# KiCad board fcart.kicad_pcb (continued)
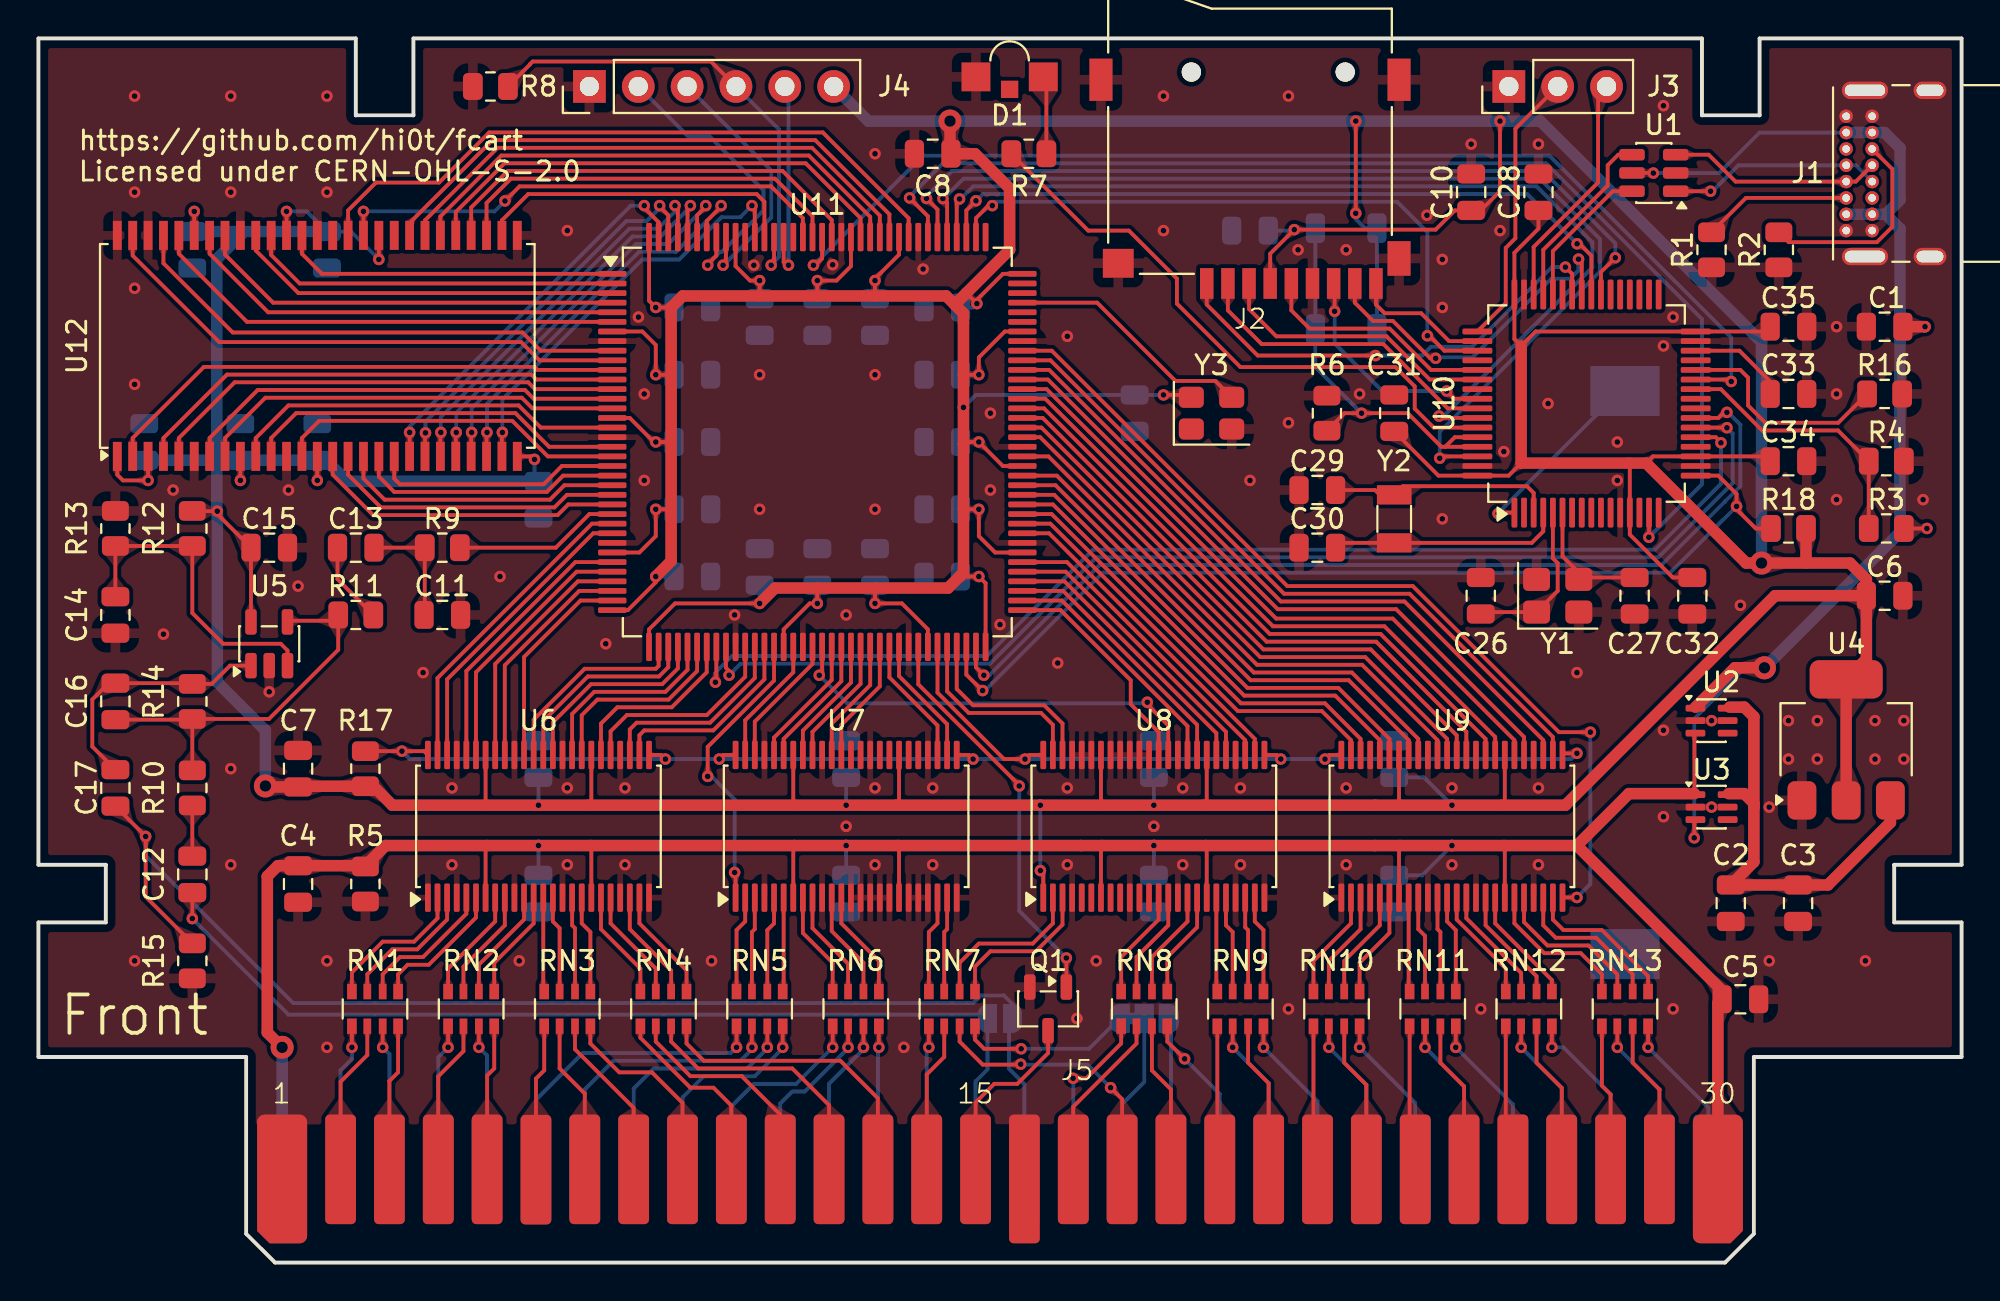
[diagram p0: board, top side]
## Footprints (pads in the part's own frame, mm; a bottom-side part is the same pattern mirrored in y, then rotated) (continued)
  oval 0.9x2.4 hole 0.6x2.1: SH(-1.35,-0.98) SH(7.3,-0.98)
  oval 0.9x1.7 hole 0.6x1.4: SH(-1.35,-4.36) SH(7.3,-4.36)

## Nets
+3V3: C6.1 C7.1 C8.1 C9.1 C10.1 C15.2 C19.1 C21.1 C23.1 C25.1 C28.1 C31.1 C32.1 C34.1 C35.1 C36.1 C37.1 C38.1 C39.1 C40.1 C41.1 C42.1 C43.1 C44.1 C45.1 C46.1 C47.1 C48.1 C49.1 C50.1 C51.1 C52.1 C53.1 C54.1 C55.1 C56.1 C57.1 C58.1 J2.4 J4.6 R12.2 R17.1 R18.1 SW1.1 U4.2 U5.5 U6.31 U6.42 U7.31 U7.42 U8.1 U8.31 U8.42 U9.31 U9.42 U10.13 U10.19 U10.32 U10.48 U10.64 U11.7 U11.16 U11.30 U11.36 U11.37 U11.51 U11.66 U11.72 U11.79 U11.88 U11.102 U11.108 U11.118 U11.123 U11.135 U11.144 U12.1 U12.3 U12.9 U12.14 U12.27 U12.37 U12.43 U12.49 Y3.4
+5V: C2.1 C3.1 U2.6 U3.6 U4.3
GND: BT1.2 C1.2 C2.2 C3.2 C4.2 C5.2 C6.2 C7.2 C8.2 C9.2 C10.2 C11.2 C14.1 C15.1 C18.2 C19.2 C20.2 C21.2 C22.2 C23.2 C24.2 C25.2 C26.1 C27.1 C28.2 C29.1 C30.1 C31.2 C32.2 C33.2 C34.2 C35.2 C36.2 C37.2 C38.2 C39.2 C40.2 C41.2 C42.2 C43.2 C44.2 C45.2 C46.2 C47.2 C48.2 C49.2 C50.2 C51.2 C52.2 C53.2 C54.2 C55.2 C56.2 C57.2 C58.2 D1.1 J1.A1 J1.A12 J1.B1 J1.B12 J1.SH J2.6 J2.SH J3.1 J4.1 J5.1 J5.16 Q1.2 R1.2 R2.2 R4.1 R5.1 R6.1 R8.2 R13.1 R15.2 R16.2 U1.2 U2.2 U2.5 U3.2 U3.5 U4.1 U5.2 U6.1 U6.4 U6.10 U6.15 U6.21 U6.24 U6.28 U6.34 U6.39 U6.45 U7.4 U7.10 U7.13 U7.14 U7.15 U7.16 U7.17 U7.19 U7.20 U7.21 U7.24 U7.28 U7.34 U7.39 U7.45 U8.4 U8.10 U8.15 U8.21 U8.24 U8.28 U8.34 U8.37 U8.38 U8.39 U8.40 U8.41 U8.43 U8.44 U8.45 U9.1 U9.4 U9.10 U9.15 U9.21 U9.28 U9.34 U9.39 U9.45 U10.12 U10.18 U10.31 U10.47 U10.63 U11.8 U11.18 U11.29 U11.46 U11.53 U11.64 U11.80 U11.90 U11.101 U11.116 U11.124 U11.134 U12.6 U12.12 U12.28 U12.41 U12.46 U12.52 U12.54 Y1.2 Y1.4 Y3.2
VBAT: BT1.1 U10.1
BTN: R6.2 SW1.2 U10.60 U10.61
CIRAM_A10: U8.47 U11.68
CIRAM_A10_5V: J5.18 RN7.7
CIRAM_CE: U8.46 U11.69
CIRAM_CE_5V: J5.48 JP2.2
CPU_A0: U6.26 U11.49
CPU_A0_5V: J5.13 RN4.8
CPU_A1: U6.27 U11.48
CPU_A1_5V: J5.12 RN4.7
CPU_A2: U6.29 U11.47
CPU_A2_5V: J5.11 RN4.6
CPU_A3: U6.30 U11.43
CPU_A3_5V: J5.10 RN4.5
CPU_A4: U6.32 U11.42
CPU_A4_5V: J5.9 RN3.8
CPU_A5: U6.33 U11.41
CPU_A5_5V: J5.8 RN3.7
CPU_A6: U6.35 U11.40
CPU_A6_5V: J5.7 RN3.6
CPU_A7: U6.36 U11.39
CPU_A7_5V: J5.6 RN3.5
CPU_A8: U6.37 U11.38
CPU_A8_5V: J5.5 RN2.8
CPU_A9: U6.40 U11.34
CPU_A9_5V: J5.4 RN2.6
CPU_A10: U6.43 U11.32
CPU_A10_5V: J5.3 RN1.8
CPU_A11: U6.46 U11.28
CPU_A11_5V: J5.2 RN1.6
CPU_A12: U6.44 U11.31
CPU_A12_5V: J5.33 RN1.7
CPU_A13: U6.41 U11.33
CPU_A13_5V: J5.34 RN2.5
CPU_A14: U6.38 U11.35
CPU_A14_5V: J5.35 RN2.7
CPU_D0: U7.37 U11.61
CPU_D0_5V: J5.43 RN6.8
CPU_D1: U7.38 U11.60
CPU_D1_5V: J5.42 RN6.7
CPU_D2: U7.40 U11.59
CPU_D2_5V: J5.41 RN6.6
CPU_D3: U7.41 U11.58
CPU_D3_5V: J5.40 RN6.5
CPU_D4: U7.43 U11.57
CPU_D4_5V: J5.39 RN5.8
CPU_D5: U7.44 U11.56
CPU_D5_5V: J5.38 RN5.7
CPU_D6: U7.46 U11.54
CPU_D6_5V: J5.37 RN5.6
CPU_D7: U7.47 U11.52
CPU_D7_5V: J5.36 RN5.5
CPU_DIR: U7.1 U11.50
CPU_RW: U7.26 U11.63
CPU_RW_5V: J5.14 RN7.6
FPGA_IRQ: U10.62 U11.113
IRQ: Q1.1 U11.65
IRQ_5V: J5.15 Q1.3
LED: R7.2 U10.59
LS_OE: R17.2 U6.25 U6.48 U7.25 U7.48 U8.25 U8.48 U9.25 U9.48 U11.67
M2: U6.47 U11.27
M2_5V: J5.32 RN1.5
PDM: R9.2 U11.26
PPU_A0: U9.38 U11.89
PPU_A0_5V: J5.25 RN11.7
PPU_A1: U9.41 U11.86
PPU_A1_5V: J5.24 RN11.5
PPU_A2: U9.44 U11.84
PPU_A2_5V: J5.23 RN10.7
PPU_A3: U9.47 U11.82
PPU_A3_5V: J5.22 RN10.5
PPU_A4: U8.27 U11.78
PPU_A4_5V: J5.21 RN9.7
PPU_A5: U8.30 U11.76
PPU_A5_5V: J5.20 RN9.5
PPU_A6: U8.33 U11.74
PPU_A6_5V: J5.19 RN8.7
PPU_A7: U8.32 U11.75
PPU_A7_5V: J5.50 RN8.8
PPU_A8: U8.29 U11.77
PPU_A8_5V: J5.51 RN9.6
PPU_A9: U8.26 U11.81
PPU_A9_5V: J5.52 RN9.8
PPU_A10: U9.46 U11.83
PPU_A10_5V: J5.53 RN10.6
PPU_A11: U9.43 U11.85
PPU_A11_5V: J5.54 RN10.8
PPU_A12: U9.40 U11.87
PPU_A12_5V: J5.55 RN11.6
PPU_A13: U9.37 U11.91
PPU_A13_5V: J5.56 RN11.8
PPU_D0: U9.36 U11.92
PPU_D0_5V: J5.26 RN12.5
PPU_D1: U9.33 U11.94
PPU_D1_5V: J5.27 RN12.7
PPU_D2: U9.30 U11.96
PPU_D2_5V: J5.28 RN13.5
PPU_D3: U9.27 U11.98
PPU_D3_5V: J5.29 RN13.7
PPU_D4: U9.26 U11.99
PPU_D4_5V: J5.60 RN13.8
PPU_D5: U9.29 U11.97
PPU_D5_5V: J5.59 RN13.6
PPU_D6: U9.32 U11.95
PPU_D6_5V: J5.58 RN12.8
PPU_D7: U9.35 U11.93
PPU_D7_5V: J5.57 RN12.6
PPU_DIR: U9.24 U11.100
PPU_RD: U8.35 U11.55
PPU_RD_5V: J5.17 RN8.6
PPU_WR: U8.36 U11.73
PPU_WR_5V: J5.47 RN8.5
PPU_~{A13}: J5.49 JP2.3
QSPI_CLK: U10.27 U11.126
QSPI_IO0: U10.40 U11.111
QSPI_IO1: U10.51 U11.110
QSPI_IO2: U10.39 U11.114
QSPI_IO3: U10.15 U11.115
QSPI_NCS: U10.58 U11.112
ROMSEL: U7.27 U11.62
ROMSEL_5V: J5.44 RN7.5
SD_CLK: J2.5 U10.53
SD_CMD: J2.3 U10.54
SD_DAT0: J2.7 U10.56
SD_DAT1: J2.8 U10.41
SD_DAT2: J2.1 U10.42
SD_DAT3: J2.2 U10.57
SD_DET: J2.9 U10.50
SDRAM_A0: U11.140 U12.23
SDRAM_A1: U11.139 U12.24
SDRAM_A2: U11.138 U12.25
SDRAM_A3: U11.133 U12.26
SDRAM_A4: U11.132 U12.29
SDRAM_A5: U11.127 U12.30
SDRAM_A6: U11.125 U12.31
SDRAM_A7: U11.122 U12.32
SDRAM_A8: U11.121 U12.33
SDRAM_A9: U11.120 U12.34
SDRAM_A10: U11.141 U12.22
SDRAM_A11: U11.119 U12.35
SDRAM_BA0: U11.143 U12.20
SDRAM_BA1: U11.142 U12.21
SDRAM_CAS: U11.23 U12.17
SDRAM_CLK: U11.128 U12.38
SDRAM_CS: U11.21 U12.19
SDRAM_DQ0: U11.11 U12.2
SDRAM_DQ1: U11.12 U12.4
SDRAM_DQ2: U11.13 U12.5
SDRAM_DQ3: U11.14 U12.7
SDRAM_DQ4: U11.15 U12.8
SDRAM_DQ5: U11.17 U12.10
SDRAM_DQ6: U11.19 U12.11
SDRAM_DQ7: U11.20 U12.13
SDRAM_DQ8: U11.1 U12.42
SDRAM_DQ9: U11.2 U12.44
SDRAM_DQ10: U11.3 U12.45
SDRAM_DQ11: U11.4 U12.47
SDRAM_DQ12: U11.5 U12.48
SDRAM_DQ13: U11.6 U12.50
SDRAM_DQ14: U11.9 U12.51
SDRAM_DQ15: U11.10 U12.53
SDRAM_LDQM: U11.25 U12.15
SDRAM_RAS: U11.22 U12.18
SDRAM_UDQM: U11.117 U12.39
SDRAM_WE: U11.24 U12.16
SND_IN: C12.1 J5.45 JP1.1
SND_OUT: C17.2 J5.46 JP1.2 R15.1
SPI_MISO: U10.22 U11.45
SPI_MOSI: U10.23 U11.71
SPI_NCS: R18.2 U10.17 U11.70
SPI_SCK: U10.21 U11.44
SWCLK: J3.2 U10.49
SWDIO: J3.3 U10.46
TCK: J4.4 R8.1 U11.131
TDI: J4.3 U11.136
TDO: J4.2 U11.137
TMS: J4.5 U11.130
USB_D+: U1.4 U10.45
USB_D-: U1.6 U10.44
USB_DET: R3.1 R4.2 U10.26
VCART: C4.1 C5.1 C18.1 C20.1 C22.1 C24.1 J5.30 J5.31 R5.2 U2.3 U3.1 U6.7 U6.18 U7.7 U7.18 U8.7 U8.18 U9.7 U9.18
VUSB: C1.1 J1.A4 J1.A9 J1.B4 J1.B9 R3.2 U1.5 U2.1 U3.3
Net-(C11-Pad1): C11.1 C13.1 R9.1
Net-(C12-Pad2): C12.2 R10.2
Net-(C13-Pad2): C13.2 R11.2
Net-(C16-Pad2): C16.2 C17.1 R14.1 U5.1
Net-(D1-A): D1.2 R7.1
Net-(J1-CC1): J1.A5 R1.1
Net-(J1-CC2): J1.B5 R2.1
Net-(J1-D+-PadA6): J1.A6 J1.B6 U1.3
Net-(J1-D--PadA7): J1.A7 J1.B7 U1.1
Net-(JP2-A): JP2.1 RN7.8
Net-(RN1-R1.1): RN1.1 U6.6
Net-(RN1-R2.1): RN1.2 U6.5
Net-(RN1-R3.1): RN1.3 U6.3
Net-(RN1-R4.1): RN1.4 U6.2
Net-(RN2-R1.1): RN2.1 U6.12
Net-(RN2-R2.1): RN2.2 U6.11
Net-(RN2-R3.1): RN2.3 U6.9
Net-(RN2-R4.1): RN2.4 U6.8
Net-(RN3-R1.1): RN3.1 U6.17
Net-(RN3-R2.1): RN3.2 U6.16
Net-(RN3-R3.1): RN3.3 U6.14
Net-(RN3-R4.1): RN3.4 U6.13
Net-(RN4-R1.1): RN4.1 U6.23
Net-(RN4-R2.1): RN4.2 U6.22
Net-(RN4-R3.1): RN4.3 U6.20
Net-(RN4-R4.1): RN4.4 U6.19
Net-(RN5-R1.1): RN5.1 U7.6
Net-(RN5-R2.1): RN5.2 U7.5
Net-(RN5-R3.1): RN5.3 U7.3
Net-(RN5-R4.1): RN5.4 U7.2
Net-(RN6-R1.1): RN6.1 U7.12
Net-(RN6-R2.1): RN6.2 U7.11
Net-(RN6-R3.1): RN6.3 U7.9
Net-(RN6-R4.1): RN6.4 U7.8
Net-(RN7-R1.1): RN7.1 U8.3
Net-(RN7-R2.1): RN7.2 U8.2
Net-(RN7-R3.1): RN7.3 U7.23
Net-(RN7-R4.1): RN7.4 U7.22
Net-(RN8-R1.1): RN8.1 U8.17
Net-(RN8-R2.1): RN8.2 U8.16
Net-(RN8-R3.1): RN8.3 U8.14
Net-(RN8-R4.1): RN8.4 U8.13
Net-(RN9-R1.1): RN9.1 U8.23
Net-(RN9-R2.1): RN9.2 U8.22
Net-(RN9-R3.1): RN9.3 U8.20
Net-(RN9-R4.1): RN9.4 U8.19
Net-(RN10-R1.1): RN10.1 U9.6
Net-(RN10-R2.1): RN10.2 U9.5
Net-(RN10-R3.1): RN10.3 U9.3
Net-(RN10-R4.1): RN10.4 U9.2
Net-(RN11-R1.1): RN11.1 U9.12
Net-(RN11-R2.1): RN11.2 U9.11
Net-(RN11-R3.1): RN11.3 U9.9
Net-(RN11-R4.1): RN11.4 U9.8
Net-(RN12-R1.1): RN12.1 U9.17
Net-(RN12-R2.1): RN12.2 U9.16
Net-(RN12-R3.1): RN12.3 U9.14
Net-(RN12-R4.1): RN12.4 U9.13
Net-(RN13-R1.1): RN13.1 U9.23
Net-(RN13-R2.1): RN13.2 U9.22
Net-(RN13-R3.1): RN13.3 U9.20
Net-(RN13-R4.1): RN13.4 U9.19
Net-(U5-+): C14.2 R12.1 R13.2 U5.3
Net-(U5--): C16.1 R10.1 R11.1 R14.2 U5.4
Net-(U10-PB2): R16.1 U10.28
Net-(U10-PC14): C29.2 U10.3 Y2.2
Net-(U10-PC15): C30.2 U10.4 Y2.1
Net-(U10-PH0): C26.2 U10.5 Y1.1
Net-(U10-PH1): C27.2 U10.6 Y1.3
Net-(U10-VCAP_1): C33.1 U10.30
Net-(U11A-PR3A/BANK1/T/R_GPLLT_IN/DQ0): U11.105 Y3.3

Pads without a net: J1 A8 B8; U2 4; U3 4; U7 29 30 32 33 35 36; U8 5 6 8 9 11 12; U10 2 7 8 9 10 11 14 16 20 24 25 29 33 34 35 36 37 38 43 52 55; U11 103 104 106 107 109 129; U12 36 40; Y3 1

## Via types
v1: diameter 0.6, hole 0.3, Top to Bottom, 256 vias
v2: diameter 1.2, hole 0.6, Top to Bottom, 5 vias

## Routing (per net, layer and track width the routed paths; a pad name or vN(x,y) marks a point on that pad's centre or on a via; arc(x,y) is an arc through that point)
+3V3: length 555.9
  Top w0.2: U8.42 55.25,23.85 55.3,23.8 ; 47.9,35.7 v1(48.9,35.7) 49.25,35.35 U11.72 ; U11.79 49.75,36.95 48.9,37.8 v1(48.9,39.2) 48.1,39.2 ; v1(52.1,20.4) 52.25,20.25 U8.1 ; C32.1 84.98,35.65 82.75,37.88 U10.13 82.75,41.55 82.7,41.6 ; 32.9,42.7 v1(32.1,42.7) 32,42.7 30.75,43.95 U11.16 ; 48.1,46.2 v1(48.9,46.2) 48.9,47.1 50.25,48.45 U11.102 ; U11.108 50.15,51.45 48.8,50.1 v1(48.8,49.9) 48.25,50.45 ; 76.1,23.8 76.25,23.95 U9.31 ; C28.1 78,53.8 76.75,52.55 U10.48 76.75,48.05 77.1,47.7 77.85,48.45 U10.32 89.8,48.45 ; 89.8,41.95 U10.19 83.95,41.95 83.6,41.6 ; v1(32.1,35.7) 32.1,35.4 30.65,33.95 U11.36 ; 48.1,42.6 48.2,42.7 v1(48.9,42.7) 50.15,41.45 U11.88 ; 32.9,49.7 v1(32.1,49.7) 31.75,50.05 U11.144 ; 70.8,23.8 70.75,23.85 U9.42 ; U6.31 28.75,23.95 28.6,23.8 ; 77.1,41.6 76.45,40.95 U10.64 72.8,40.95 C31.1 ; U12.49 v1(8.1,54.7) ; U11.51 38.75,32.95 40.1,34.3 v1(40.5,34.3) 40.5,35.1 ; U12.14 v1(14.5,40.7) ; U11.7 31.4,48.45 32.1,47.75 v1(32.1,46.2) 32.9,46.2 ; 43.5,35.1 v1(43.5,34.3) 44.9,34.3 46.25,32.95 U11.66 ; U11.135 36.25,51.85 37,51.1 v1(37.5,51.1) 37.5,50.3 ; U7.31 44.75,23.95 44.6,23.8 ; 43.5,50.3 v1(43.5,51.1) 43.5,51.2 44.75,52.45 U11.118 ; U12.27 25.64,41.95 v1(25.79,41.79) ; 59.82,45.15 v1(58.5,45.15) ; 32.9,38.9 32.6,39.2 v1(32.1,39.2) 32.1,37.8 31.25,36.95 U11.30 ; U11.123 42.25,51.85 41.5,51.1 v1(40.5,51.1) 40.5,50.3 ; U11.37 31.75,32.95 33.1,34.3 v1(37.5,34.3) ; U7.42 39.25,23.85 39.3,23.8 ; J2.4 64.05,52.5 v1(65.3,53.75) 72.65,53.75 73.65,54.75 75,54.75 76,55.75 v1(76,59.4) ; U12.37 v1(17.7,52.2) ; U8.31 60.75,23.95 60.6,23.8 ; U12.3 v1(5.7,40.7) 4.39,40.7 4.1,40.99 U12.1 ; U12.9 v1(10.5,40.7) ; v1(68.5,59.4) v1(68.5,54.6) ; U6.42 23.25,23.85 23.3,23.8 ; U5.5 C15.2 9.3,38.95 v1(9.3,39.1) 8.01,39.1 ; U12.43 v1(12.9,54.7)
  Top w0.6: v2(11.8,24.8) 11.85,24.75 C7.1 ; 47.65,49.85 50.5,52.7 50.5,55.9 48.7,57.7 C8.1 ; v2(47.4,59.4) 47.4,57.75 ; v1(37.5,34.3) 38.3,35.1 47.3,35.1 48.1,35.9 v1(48.1,44.5) 48.1,49.4 47.2,50.3 33.5,50.3 32.9,49.7 32.9,36.5 v1(32.1,35.7) ; C6.1 95.05,31.4 U4.2 U4.2 ; C6.1 90.3,34.7 79.4,23.8 v1(73.5,23.8) v1(58,23.8) v1(52.1,23.8) v1(42,23.8) v1(26,23.8) 18.4,23.8 17.41,24.79 R17.1 13.54,24.79 ; C6.1 95.05,35.55 94.2,36.4 v2(89.6,36.4) 88.8,36.4 83.6,41.6 77.1,41.6 77.1,47.7 ; R18.1 91.91,36.4
  Bottom w0.2: v1(14.5,40.7) C52.1 ; C58.1 v1(48.9,35.7) ; v1(10.5,40.7) C53.1 ; C47.1 v1(48.9,42.7) ; C25.1 72.05,25.25 v1(73.5,23.8) ; v1(65.3,53.75) 65.25,53.7 C9.1 ; v1(5.7,40.7) 5.7,41.55 ; C40.1 v1(32.1,42.7) ; v1(12.9,54.7) 13.95,54.7 C49.1 16.25,53.65 v1(17.7,52.2) ; C36.1 v1(43.5,51.1) ; v1(48.8,49.9) 48.6,49.7 C55.1 ; C45.1 v1(43.5,34.3) ; C43.1 v1(37.5,34.3) ; C56.1 v1(32.1,49.7) ; C21.1 v1(42,23.8) ; C39.1 v1(32.1,46.2) ; SW1.1 SW1.1 68.97,53.82 68.5,54.3 v1(68.5,54.6) ; C38.1 v1(37.5,51.1) ; C46.1 v1(48.9,39.2) ; C44.1 v1(40.5,34.3) ; v1(32.1,39.2) C41.1 ; C23.1 v1(58,23.8) ; C19.1 v1(26,23.8) ; v1(58.5,45.15) C42.1 48.75,45.15 v1(48.1,44.5) ; v1(8.1,54.7) 8.1,53.75 ; C48.1 v1(48.9,46.2) ; v1(25.79,41.79) 25.79,40.86 ; C37.1 v1(40.5,51.1) ; C57.1 v1(32.1,35.7) ; v1(52.1,20.4) v1(52.1,23.8)
  Bottom w0.6: C49.1 10.7,53.65 ; 9.27,41.82 9.27,52.22 10.7,53.65 ; 9.27,41.82 9.27,39.13 v1(9.3,39.1) 9.3,30.2 11.8,27.7 v2(11.8,24.8) ; 9.27,41.82 9.2,41.75 ; C50.1 10.7,53.65 ; J4.6 43.15,59.4 v2(47.4,59.4) v1(68.5,59.4) v1(76,59.4) 78.1,59.4 89.6,47.9 v2(89.6,36.4) ; 9.2,41.75 C53.1 C52.1 14.95,41.75 16.05,40.65 C51.1 ; 9.2,41.75 C54.1
+5V: length 23.2
  Top w0.6: 87.89,24.4 88.7,24.4 89.2,23.9 89.2,23.7 ; 89.2,23.7 89.2,28.4 88.7,28.9 87.94,28.9 ; 89.2,23.7 89.2,20.85 C2.1 C3.1 93.05,19.65 96.3,22.9 U4.3
GND:
  vias: v1(5,60.7) v1(5,55.7) v1(5,50.7) v1(5,45.7) v1(5,15.7) v1(6.5,32.7) v1(7,40.2) v1(10,60.7) v1(10,55.7) v1(10,25.7) v1(10,20.7) v1(12,29.7) v1(13,40.2) v1(13.5,35.2) v1(15,60.7) v1(15,55.7) v1(15,15.7) v1(15,11.2) v1(20,30.7) v1(21.5,24.7) v1(21.5,20.7) v1(24,35.7) v1(25,15.7) v1(27.5,53.7) v1(27.5,24.7) v1(27.5,20.7) v1(29.5,32.2) v1(30.5,24.7) v1(30.5,20.7) v1(31.2,49.2) v1(31.5,45.2) v1(31.5,40.7) v1(35,15.7) v1(36.2,33.7) v1(37.2,51.9) v1(37.5,46.2) v1(37.5,39.2) v1(41.3,51.92) v1(42,33.7) v1(42,22.7) v1(43.5,57.7) v1(43.5,46.2) v1(43.5,39.2) v1(43.5,24.7) v1(43.5,20.7) v1(45,11.2) v1(46,51.7) v1(46.5,24.7) v1(46.5,20.7) v1(49.5,44.2) v1(49.5,40.2) v1(50,33.2) v1(53,31.2) v1(53.5,48.2) v1(53.5,24.7) v1(53.5,20.7) v1(54,12.7) v1(55,15.7) v1(58,22.7) v1(58.5,60.7) v1(58.5,53.7) v1(59.5,24.7) v1(59.5,20.7) v1(62.5,24.7) v1(62.5,20.7) v1(63,40.7) v1(65,60.7) v1(65,43.7) v1(65,13.2) v1(65.5,52.7) v1(68,52.7) v1(68,24.7) v1(68,20.7) v1(68.7,45.2) v1(72.2,54.5) v1(73,52.2) v1(73,49.7) v1(73,38.7) v1(73.5,24.7) v1(73.5,20.7) v1(74.5,58.2) v1(75,13.2) v1(76,53.7) v1(76.2,42.2) v1(78,58.2) v1(78,24.7) v1(78,20.7) v1(78.5,44.7) v1(80,30.7) v1(82.1,42.7) v1(82.1,40.7) v1(84.5,60.2) v1(84.5,47.7) v1(84.5,27.7) v1(84.5,23.2) v1(85,49.2) v1(85,13.2) v1(87,28.2) v1(87,23.7) v1(88.5,34.2) v1(90,23.7) v1(90,15.7) v1(91,28.2) v1(91,26.2) v1(92.5,28.2) v1(92.5,26.2) v1(93.5,48.7) v1(93.5,45.2) v1(93.5,39.7) v1(95,15.7) v1(95.5,28.2) v1(95.5,26.2) v1(97,28.2) v1(97,26.2) v1(98,39.7)
VBAT: length 9.7
  Top w0.2: v1(75.9,38.98) 75.95,39.02 U10.1
  Bottom w0.2: v1(75.9,38.98) 75.9,39 82.1,45.2
BTN: length 21.4
  Top w0.2: R6.2 67.91,44.2 v1(68.8,44.2) 71.2,44.2 72.95,42.45 73.15,42.45 ; 73.15,42.45 U10.61 ; 73.15,42.45 73.65,42.95 U10.60
  Bottom w0.2: SW1.2 SW1.2 66.4,46.6 v1(68.8,44.2)
CIRAM_A10: length 10.1
  Top w0.2: U11.68 47.25,29.73 48.38,28.6 52.13,28.6 52.75,27.98 U8.47
CIRAM_A10_5V: length 14.2
  Top w0.2: v1(51.08,10.32) 51.05,10.3 49.1,10.3 47.9,11.5 RN7.7 ; v1(55.75,9.1) 56.35,8.5 J5.18
  Bottom w0.2: v1(51.08,10.32) 51.1,10.3 54.55,10.3 v1(55.75,9.1)
CIRAM_CE: length 10.1
  Top w0.2: U8.46 53.25,28.05 52.3,29 48.6,29 47.75,29.85 U11.69
CIRAM_CE_5V: length 8.3
  Bottom w0.2: J5.48 56.35,8.25 57.5,9.4 JP2.2
CPU_A0: length 10.4
  Top w0.2: U11.49 37.75,30.35 35.09,27.69 31.5,27.69 31.25,27.44 U6.26
CPU_A0_5V: length 15.7
  Top w0.2: RN4.8 33.7,11.4 34.6,10.5 41.7,10.5 43.65,8.55 J5.13
CPU_A1: length 10.6
  Top w0.2: U11.48 37.25,30.42 34.92,28.09 31.1,28.09 30.75,27.74 U6.27
CPU_A1_5V: length 13.7
  Top w0.2: RN4.7 32.9,11.5 34.3,10.1 39.2,10.1 41.11,8.19 J5.12
CPU_A2: length 11
  Top w0.2: U6.29 29.75,27.64 30.6,28.49 34.76,28.49 36.75,30.49 U11.47
CPU_A2_5V: length 11.7
  Top w0.2: J5.11 38.57,7.7 36.57,9.7 33.9,9.7 32.1,11.5 RN4.6
CPU_A3: length 9.6
  Top w0.2: U6.30 29.25,28.04 30.1,28.89 32.93,28.89 34.75,30.71 U11.43
CPU_A3_5V: length 10.1
  Top w0.2: RN4.5 31.3,11.7 33.9,9.1 35.1,9.1 36.03,8.17 J5.10
CPU_A4: length 10.3
  Top w0.2: U11.42 34.25,30.78 32.76,29.3 29.06,29.3 28.25,28.48 U6.32
CPU_A4_5V: length 10.4
  Top w0.2: RN3.8 28.7,11.4 30.2,9.9 31.9,9.9 33.49,8.31 J5.9
CPU_A5: length 10.3
  Top w0.2: U11.41 33.75,30.85 32.6,29.7 28.9,29.7 27.75,28.55 U6.33
CPU_A5_5V: length 8.7
  Top w0.2: J5.8 30.95,8.05 27.9,11.1 RN3.7
CPU_A6: length 10.5
  Top w0.2: U6.35 26.75,28.12 28.73,30.1 32.43,30.1 33.25,30.92 U11.40
CPU_A6_5V: length 8
  Top w0.2: J5.7 28.41,8.79 27.1,10.1 RN3.6
CPU_A7: length 10.5
  Top w0.2: U6.36 26.25,28.18 28.57,30.5 32.27,30.5 32.75,30.98 U11.39
CPU_A7_5V: length 7.6
  Top w0.2: RN3.5 26.3,10 25.87,9.57 J5.6
CPU_A8: length 10.5
  Top w0.2: U11.38 32.25,31.05 32.1,30.9 28.4,30.9 25.75,28.25 U6.37
CPU_A8_5V: length 7.6
  Top w0.2: RN2.8 23.7,10.1 23.33,9.73 J5.5
CPU_A9: length 11.9
  Top w0.2: U6.40 24.25,31.08 28.12,34.95 U11.34
CPU_A9_5V: length 8
  Top w0.2: RN2.6 22.1,11 20.79,9.69 J5.4
CPU_A10: length 13.6
  Top w0.2: U6.43 22.75,30.72 27.98,35.95 U11.32
CPU_A10_5V: length 7.6
  Top w0.2: J5.3 18.25,9.45 18.7,9.9 RN1.8
CPU_A11: length 15.7
  Top w0.2: U6.46 21.25,30.35 28.85,37.95 U11.28
CPU_A11_5V: length 8
  Top w0.2: RN1.6 17.1,10.8 15.71,9.41 J5.2
CPU_A12: length 14.3
  Top w0.2: U11.31 27.92,36.45 22.25,30.78 U6.44
CPU_A12_5V: length 7.6
  Top w0.2: RN1.7 v1(17.9,11.2)
  Bottom w0.2: J5.33 18.25,10.85 v1(17.9,11.2)
CPU_A13: length 12.6
  Top w0.2: U11.33 28.05,35.45 23.75,31.15 U6.41
CPU_A13_5V: length 7.7
  Top w0.2: RN2.5 v1(21.3,11.2)
  Bottom w0.2: v1(21.3,11.2) 20.79,10.69 J5.34
CPU_A14: length 10.9
  Top w0.2: U6.38 25.25,31.51 28.19,34.45 U11.35
CPU_A14_5V: length 7.6
  Top w0.2: RN2.7 v1(22.9,11.2)
  Bottom w0.2: v1(22.9,11.2) 23.33,10.77 J5.35
CPU_D0: length 6.5
  Top w0.2: U7.37 41.75,27.98 43.75,29.98 U11.61
CPU_D0_5V: length 7.5
  Top w0.2: RN6.8 v1(43.7,11.2)
  Bottom w0.2: J5.43 43.65,11.15 v1(43.7,11.2)
CPU_D1: length 6.5
  Top w0.2: U7.38 41.25,28.05 43.25,30.05 U11.60
CPU_D1_5V: length 8.2
  Top w0.2: RN6.7 v1(42.9,11.2)
  Bottom w0.2: v1(42.9,11.2) 42.9,11.1 41.11,9.31 J5.42
CPU_D2: length 6.7
  Top w0.2: U7.40 40.25,27.62 42.75,30.12 U11.59
CPU_D2_5V: length 9.3
  Top w0.2: RN6.6 v1(42.1,11.2)
  Bottom w0.2: J5.41 38.57,8.27 39.2,8.9 39.85,8.9 42.1,11.15 v1(42.1,11.2)
CPU_D3: length 6.7
  Top w0.2: U7.41 39.75,27.68 42.25,30.18 U11.58
CPU_D3_5V: length 10.9
  Top w0.2: RN6.5 v1(41.3,11.2)
  Bottom w0.2: J5.40 36.03,8.13 37.2,9.3 37.41,9.3 37.42,9.3 39.4,9.3 v1(41.3,11.2)
CPU_D4: length 6.9
  Top w0.2: U7.43 38.75,27.25 41.75,30.25 U11.57
CPU_D4_5V: length 11.2
  Top w0.2: RN5.8 v1(38.7,11.2)
  Bottom w0.2: J5.39 33.49,8.59 34.6,9.7 37.25,9.7 38.7,11.15 v1(38.7,11.2)
CPU_D5: length 6.9
  Top w0.2: U11.56 41.25,30.32 38.25,27.32 U7.44
CPU_D5_5V: length 13.2
  Top w0.2: RN5.7 v1(37.9,11.2)
  Bottom w0.2: J5.38 30.95,9.05 32,10.1 36.85,10.1 37.9,11.15 v1(37.9,11.2)
CPU_D6: length 6.9
  Top w0.2: U7.46 37.25,28.15 40.25,31.15 U11.54
CPU_D6_5V: length 14.9
  Top w0.2: RN5.6 v1(37.1,11.2)
  Bottom w0.2: J5.37 28.41,9.01 29.9,10.5 36.5,10.5 37.1,11.1 v1(37.1,11.2)
CPU_D7: length 6.7
  Top w0.2: U7.47 36.75,28.22 39.25,30.72 U11.52
CPU_D7_5V: length 16.3
  Top w0.2: RN5.5 v1(36.3,11.2)
  Bottom w0.2: v1(36.3,11.2) 36,10.9 28.3,10.9 25.87,8.47 J5.36
CPU_DIR: length 15.2
  Top w0.2: U7.1 36.25,20.25 v1(36.2,20.3) ; v1(34.8,25.3) 34.8,26.83 38.25,30.28 U11.50
  Bottom w0.2: v1(34.8,25.3) 35,25.3 36.2,24.1 v1(36.2,20.3)
CPU_RW: length 6.7
  Top w0.2: U7.26 47.25,28.02 44.75,30.52 U11.63
CPU_RW_5V: length 7.8
  Top w0.2: RN7.6 47.1,10.7 46.19,9.79 J5.14
FPGA_IRQ: length 54.9
  Top w0.2: U10.62 72.96,41.95 v1(72.87,41.86) ; U11.113 47.25,55.17 47.06,55.37 v1(47.03,55.37)
  Bottom w0.2: v1(47.03,55.37) 47.06,55.39 47.09,55.39 48.1,56.4 78.07,56.4 81.2,53.27 81.2,51.57 72.87,43.24 v1(72.87,41.86)
IRQ: length 20.9
  Top w0.2: U11.65 45.75,30.09 51,24.84 v1(51,24.8) ; v1(53.45,15.85) Q1.1
  Bottom w0.2: v1(51,24.8) 51,18.3 v1(53.45,15.85)
IRQ_5V: length 9.5
  Top w0.2: J5.15 48.73,8.33 49.7,9.3 50.9,9.3 52.5,10.9 Q1.3
LED: length 31.6
  Top w0.2: R7.2 54.59,53.7 56.7,53.7 59.2,51.2 59.2,49.9 62.5,46.6 69.27,46.6 69.28,46.6 70.56,46.6 71.57,45.59 71.57,44.43 72.55,43.45 U10.59
LS_OE: length 79.6
  Top w0.2: U6.25 32.39,26.41 v1(32.6,26.2) ; v1(64.6,26.2) 64.39,26.41 U8.25 ; U9.25 79.34,26.5 v1(80,26.5) ; U6.48 20.05,26.61 v1(18.9,26.61) R17.2 ; v1(48.6,26.2) 48.39,26.41 U7.25 ; U7.48 35.61,26.41 v1(35.4,26.2) ; U9.48 67.11,26.41 v1(66.9,26.2) ; U8.48 51.51,26.41 v1(51.3,26.2) 50.21,26.2 46.75,29.66 U11.67
  Bottom w0.2: v1(18.9,26.61) 19.31,26.2 v1(32.6,26.2) v1(48.6,26.2) v1(51.3,26.2) v1(64.6,26.2) v1(66.9,26.2) 79.7,26.2 v1(80,26.5)
M2: length 16.4
  Top w0.2: U11.27 28.78,38.45 20.75,30.42 U6.47
M2_5V: length 7.7
  Top w0.2: RN1.5 v1(16.3,11.2)
  Bottom w0.2: J5.32 15.71,10.01 16.3,10.6 v1(16.3,11.2)
PDM: length 8.6
  Top w0.2: U11.26 28.65,38.95 26.9,37.2 R9.2
PPU_A0: length 28.5
  Top w0.2: U9.38 72.75,27.18 68.83,31.11 63.36,31.11 52.52,41.95 U11.89
PPU_A0_5V: length 8
  Top w0.2: RN11.7 72.9,10.4 74.13,9.17 J5.25
PPU_A1: length 26.4
  Top w0.2: U11.86 52.89,40.45 63.03,30.3 68.13,30.3 71.25,27.18 U9.41
PPU_A1_5V: length 7.2
  Top w0.2: RN11.5 71.3,5.14
PPU_A2: length 24.4
  Top w0.2: U11.84 52.75,39.45 62.7,29.5 67.43,29.5 69.75,27.18 U9.44
PPU_A2_5V: length 7.9
  Top w0.2: J5.23 69.05,9.25 67.9,10.4 RN10.7
PPU_A3: length 22.5
  Top w0.2: U9.47 68.25,27.18 66.73,28.7 62.37,28.7 52.62,38.45 U11.82
PPU_A3_5V: length 7.2
  Top w0.2: RN10.5 66.3,5.06
PPU_A4: length 16.2
  Top w0.2: U8.27 62.75,27.18 53.48,36.45 U11.78
PPU_A4_5V: length 7.9
  Top w0.2: RN9.7 62.9,10.4 63.97,9.33 J5.21
PPU_A5: length 14.5
  Top w0.2: U11.76 53.35,35.45 61.25,27.55 U8.30
PPU_A5_5V: length 7.3
  Top w0.2: RN9.5 61.3,4.98
PPU_A6: length 12.8
  Top w0.2: U8.33 59.75,27.92 53.22,34.45 U11.74
PPU_A6_5V: length 7.9
  Top w0.2: J5.19 58.89,9.01 57.9,10 RN8.7
PPU_A7: length 13.5
  Top w0.2: U11.75 53.28,34.95 60.25,27.98 U8.32
PPU_A7_5V: length 8.6
  Top w0.2: v1(59.6,10.6) 58.7,11.5 RN8.8
  Bottom w0.2: v1(59.6,10.6) 61.43,8.77 J5.50
PPU_A8: length 15.2
  Top w0.2: U8.29 61.75,27.62 53.42,35.95 U11.77
PPU_A8_5V: length 8.2
  Top w0.2: RN9.6 v1(62.1,11.2)
  Bottom w0.2: J5.51 63.97,9.33 v1(62.1,11.2)
PPU_A9: length 17.4
  Top w0.2: U11.81 52.55,37.95 63.25,27.25 U8.26
PPU_A9_5V: length 8.6
  Top w0.2: RN9.8 v1(63.7,11.2)
  Bottom w0.2: v1(63.7,11.2) 66.51,8.39 J5.52
PPU_A10: length 23.3
  Top w0.2: U11.83 52.69,38.95 62.53,29.1 66.9,29.1 68.75,27.25 U9.46
PPU_A10_5V: length 8.3
  Top w0.2: RN10.6 v1(67.1,11.2)
  Bottom w0.2: J5.53 69.05,9.25 v1(67.1,11.2)
PPU_A11: length 25.2
  Top w0.2: U11.85 52.82,39.95 62.87,29.9 67.6,29.9 70.25,27.25 U9.43
PPU_A11_5V: length 8.6
  Top w0.2: RN10.8 v1(68.7,11.2)
  Bottom w0.2: J5.54 71.59,8.31 v1(68.7,11.2)
PPU_A12: length 27.1
  Top w0.2: U9.40 71.75,27.25 68.3,30.7 63.2,30.7 52.95,40.95 U11.87
PPU_A12_5V: length 8.3
  Top w0.2: RN11.6 v1(72.1,11.2)
  Bottom w0.2: J5.55 74.13,9.17 v1(72.1,11.2)
PPU_A13: length 29.4
  Top w0.2: U9.37 73.25,27.25 68.99,31.51 63.53,31.51 52.09,42.95 U11.91
PPU_A13_5V: length 8.7
  Top w0.2: RN11.8 v1(73.7,11.2)
  Bottom w0.2: J5.56 76.67,8.23 v1(73.7,11.2)
PPU_D0: length 30.2
  Top w0.2: U9.36 73.75,27.43 69.28,31.91 63.7,31.91 52.15,43.45 U11.92
PPU_D0_5V: length 7.1
  Top w0.2: RN12.5 76.3,5.22
PPU_D1: length 32
  Top w0.2: U11.94 52.29,44.45 64.03,32.71 69.79,32.71 75.25,27.25 U9.33
PPU_D1_5V: length 8
  Top w0.2: J5.27 79.21,9.09 77.9,10.4 RN12.7
PPU_D2: length 33.9
  Top w0.2: U11.96 52.42,45.45 64.36,33.51 70.42,33.51 76.75,27.18 U9.30
PPU_D2_5V: length 7.6
  Top w0.2: RN13.5 81.3,9.2 81.75,8.75 J5.28
PPU_D3: length 35.8
  Top w0.2: U11.98 52.56,46.45 64.61,34.4 71.03,34.4 78.25,27.18 U9.27
PPU_D3_5V: length 8
  Top w0.2: J5.29 84.29,8.99 84.3,9 82.9,10.4 RN13.7
PPU_D4: length 36.6
  Top w0.2: U11.99 52.62,46.95 64.77,34.8 71.3,34.8 78.75,27.35 U9.26
PPU_D4_5V: length 8.7
  Top w0.2: RN13.8 v1(83.7,11.2)
  Bottom w0.2: J5.60 86.83,8.07 v1(83.7,11.2)
PPU_D5: length 34.7
  Top w0.2: U11.97 52.49,45.95 64.44,34 70.6,34 77.25,27.35 U9.29
PPU_D5_5V: length 8.4
  Top w0.2: RN13.6 v1(82.1,11.2)
  Bottom w0.2: J5.59 84.29,9.01 v1(82.1,11.2)
PPU_D6: length 32.8
  Top w0.2: U9.32 75.75,27.35 69.99,33.11 64.2,33.11 52.36,44.95 U11.95
PPU_D6_5V: length 9.1
  Top w0.2: RN12.8 v1(78.7,11.2)
  Bottom w0.2: J5.58 81.75,8.75 79.3,11.2 v1(78.7,11.2)
PPU_D7: length 31.1
  Top w0.2: U11.93 52.22,43.95 63.86,32.31 69.56,32.31 74.25,27.62 U9.35
PPU_D7_5V: length 8.3
  Top w0.2: RN12.6 v1(77.1,11.2)
  Bottom w0.2: J5.57 79.21,9.09 v1(77.1,11.2)
PPU_DIR: length 47.4
  Top w0.2: v1(80.7,27.6) 79.07,27.6 71.46,35.2 64.94,35.2 52.69,47.45 U11.100 ; v1(80,19) 79.26,19
  Bottom w0.2: v1(80.7,27.6) 80.7,19.7 v1(80,19)
PPU_RD: length 22.4
  Top w0.2: U8.35 58.75,27.95 57.66,29.04 v1(57.66,29.16) ; U11.55 40.75,30.71 v1(40.6,30.56)
  Bottom w0.2: v1(57.66,29.16) 57.6,29.1 42.06,29.1 v1(40.6,30.56)
PPU_RD_5V: length 8.8
  Top w0.2: RN8.6 57.1,11.4 53.81,8.11 J5.17
PPU_WR: length 11.6
  Top w0.2: U8.36 58.25,27.6 56.8,29.05 56.8,30.3 53.15,33.95 U11.73
PPU_WR_5V: length 8.9
  Top w0.2: RN8.5 56.3,11.4 54.49,9.59 v1(53.8,9.59)
  Bottom w0.2: v1(53.8,9.59) 53.81,9.58 J5.47
PPU_~{A13}: length 7.8
  Bottom w0.2: J5.49 58.89,12.61
QSPI_CLK: length 59.7
  Top w0.2: v1(40.3,51.9) 40.4,51.9 40.75,52.25 U11.126 ; 87.85,45.95 U10.27
  Bottom w0.2: v1(88.02,45.85) 88.02,48.14 78.56,57.6 52.27,57.6 52.26,57.61 46.01,57.61 v1(40.3,51.9)
QSPI_IO0: length 37.6
  Top w0.2: v1(80.01,53.01) 80.01,53.01 80.14,53.01 80.75,52.4 U10.40 ; U11.111 48.25,54.75 v1(48.75,55.25)
  Bottom w0.2: v1(48.75,55.25) 48.76,55.25 49.11,55.6 77.42,55.6 v1(80.01,53.01)
QSPI_IO1: length 33.8
  Top w0.2: U10.51 73.11,47.45 72.37,48.19 72.26,48.19 v1(72.22,48.23) ; v1(49.6,55) 49.4,55 48.75,54.35 U11.110
  Bottom w0.2: v1(72.22,48.23) 72.22,53.63 70.65,55.2 49.7,55.2 49.6,55.1 v1(49.6,55)
QSPI_IO2: length 43.3
  Top w0.2: v1(46.17,55.37) 46.75,54.8 U11.114 ; U10.39 81.25,51.54 v1(82,52.29)
  Bottom w0.2: v1(82,52.29) 82,53.03 78.23,56.8 47.5,56.8 46.17,55.47 v1(46.17,55.37)
QSPI_IO3: length 61.6
  Top w0.2: U11.115 46.25,54.45 v1(45.3,55.4) ; U10.15 83.75,37.75 v1(83.74,37.74)
  Bottom w0.2: v1(45.3,55.4) 45.3,55.47 47.04,57.2 52.09,57.2 52.1,57.2 78.4,57.2 86.5,49.1 86.5,40.5 v1(83.74,37.74)
QSPI_NCS: length 51.1
  Top w0.2: v1(47.89,55.35) 47.85,55.35 47.82,55.38 47.77,55.38 47.75,55.35 U11.112 ; U10.58 72.93,43.95 v1(72.83,44.05)
  Bottom w0.2: v1(47.89,55.35) 47.95,55.35 48.6,56 77.9,56 80.8,53.1 80.8,51.79 73.06,44.05 v1(72.83,44.05)
ROMSEL: length 6.7
  Top w0.2: U7.27 46.75,27.95 44.25,30.45 U11.62
ROMSEL_5V: length 7.5
  Top w0.2: RN7.5 v1(46.3,11.2)
  Bottom w0.2: J5.44 46.19,11.09 v1(46.3,11.2)
SD_CLK: length 12.4
  Top w0.2: J2.5 65.15,49.55 66.1,48.6 70.26,48.6 72.41,46.45 U10.53
SD_CMD: length 14.7
  Top w0.2: U10.54 72.35,45.95 70.1,48.2 64.37,48.2 62.95,49.62 J2.3
SD_DAT0: length 11.7
  Top w0.2: U10.56 73.63,44.95 v1(73.23,45.35) ; v1(67.4,49.5) 67.4,50.9
  Bottom w0.2: v1(73.23,45.35) 69.88,45.35 67.4,47.83 v1(67.4,49.5)
SD_DAT1: length 18.3
  Top w0.2: v1(72.66,47.06) 72.37,47.06 70.43,49 69.4,49 68.45,49.95 J2.8 ; U10.41 80.25,52.16 80.2,52.22 v1(80.08,52.22)
  Bottom w0.2: v1(72.66,47.06) 72.7,47.1 74.57,47.1 78.67,51.2 79.65,51.2 80.08,51.63 v1(80.08,52.22)
SD_DAT2: length 24.3
  Top w0.2: v1(69.53,47.2) 69.52,47.2 63.4,47.2 60.75,49.85 J2.1 ; v1(79.4,51.8) 79.75,51.45 U10.42
  Bottom w0.2: v1(79.4,51.8) 78.7,51.8 74.56,47.66 72.41,47.66 71.95,47.2 v1(69.53,47.2)
SD_DAT3: length 16.5
  Top w0.2: J2.2 61.85,49.55 63.6,47.8 69.93,47.8 73.28,44.45 U10.57
SD_DET: length 7.2
  Top w0.2: U10.50 73.35,47.95 71.9,49.4 70,49.4 69.55,49.85 J2.9
SDRAM_A0: length 20.7
  Top w0.2: U11.140 33.75,54.85 v1(33.9,55) ; U12.23 21.7,43.18 v1(21.72,43.2)
  Bottom w0.2: v1(21.72,43.2) 21.72,44.22 30.9,53.4 32.37,53.4 33.9,54.93 v1(33.9,55)
SDRAM_A1: length 20.9
  Top w0.2: v1(22.52,43.2) 22.5,43.18 U12.24 ; U11.139 34.25,54.5 34.7,54.95 v1(34.7,55)
  Bottom w0.2: v1(34.7,55) 34.7,54.95 32.75,53 31.06,53 22.52,44.46 v1(22.52,43.2)
SDRAM_A2: length 21.2
  Top w0.2: v1(35.5,55) 35.5,54.95 34.75,54.2 U11.138 ; U12.25 23.3,43.18 v1(23.32,43.2)
  Bottom w0.2: v1(23.32,43.2) 23.32,44.69 31.23,52.59 33.14,52.59 35.5,54.95 v1(35.5,55)
SDRAM_A3: length 21.8
  Top w0.2: U12.26 24.1,43.18 v1(24.12,43.2) ; v1(37.1,55) 37.25,54.85 U11.133
  Bottom w0.2: v1(24.12,43.2) 24.12,44.92 31.4,52.19 33.31,52.19 35.52,54.4 36.5,54.4 v1(37.1,55)
SDRAM_A4: length 17
  Top w0.2: U12.29 24.1,54.24 25.46,55.6 37.35,55.6 37.75,55.2 U11.132
SDRAM_A5: length 21.1
  Top w0.2: U12.30 23.3,55.13 24.57,56.4 38.3,56.4 40.25,54.45 U11.127
SDRAM_A6: length 22.9
  Top w0.2: U12.31 22.5,54.9 24.4,56.8 38.7,56.8 41.25,54.25 U11.125
SDRAM_A7: length 25.5
  Top w0.2: U11.122 42.75,54.35 39.89,57.2 24.24,57.2 21.7,54.67 U12.32
SDRAM_A8: length 27
  Top w0.2: U11.121 43.25,54.42 40.06,57.61 24.07,57.61 20.9,54.44 U12.33
SDRAM_A9: length 28.6
  Top w0.2: U12.34 20.1,54.24 23.87,58.01 40.23,58.01 43.75,54.48 U11.120
SDRAM_A10: length 20.7
  Top w0.2: U12.22 20.9,43.18 v1(20.92,43.2) ; v1(33.1,55) 33.25,54.85 U11.141
  Bottom w0.2: v1(33.1,55) 33.1,54.7 32.2,53.8 30.73,53.8 20.92,43.99 v1(20.92,43.2)
SDRAM_A11: length 29.5
  Top w0.2: U11.119 44.25,54.55 40.39,58.41 23.61,58.41 19.3,54.1
SDRAM_BA0: length 20.5
  Top w0.2: U12.20 v1(19.3,43.2) ; U11.143 32.25,54.13 31.58,54.8 31.58,54.92 v1(31.5,55)
  Bottom w0.2: v1(31.5,55) 30.8,55 19.3,43.5 v1(19.3,43.2)
SDRAM_BA1: length 20.5
  Top w0.2: U11.142 32.75,54.5 32.3,54.95 v1(32.3,55) ; v1(20.12,43.18) 20.1,43.15 U12.21
  Bottom w0.2: v1(32.3,55) 32.3,54.87 31.63,54.2 30.57,54.2 20.12,43.76 v1(20.12,43.18)
SDRAM_CAS: length 14.9
  Top w0.2: U12.17 16.9,40.8 18,39.7 26.6,39.7 27.35,40.45 U11.23
SDRAM_CLK: length 26.3
  Top w0.2: U11.128 39.75,54.35 38.1,56 25.02,56 v1(24.26,55.24) ; U12.38 v1(16.9,54.7)
  Bottom w0.2: v1(16.9,54.7) 23.72,54.7 v1(24.26,55.24)
SDRAM_CS: length 13
  Top w0.2: U12.19 18.5,40.8 18.8,40.5 26.27,40.5 27.22,41.45 U11.21
SDRAM_DQ0: length 27.5
  Top w0.2: U12.2 4.9,42.9 8.6,46.61 25.8,46.61 25.96,46.45 U11.11
SDRAM_DQ1: length 25.8
  Top w0.2: U12.4 6.5,42.9 9.8,46.21 25.63,46.21 25.89,45.95 U11.12
SDRAM_DQ2: length 24.8
  Top w0.2: U12.5 7.3,42.9 10.2,45.81 25.47,45.81 25.82,45.45 U11.13
SDRAM_DQ3: length 23.1
  Top w0.2: U11.14 25.75,44.95 25.3,45.4 11.4,45.4 8.9,42.9 U12.7
SDRAM_DQ4: length 22.2
  Top w0.2: U12.8 9.7,42.9 11.8,45 25.13,45 25.69,44.45 U11.15
